# KiCad board emonPi3.kicad_pcb (continued)
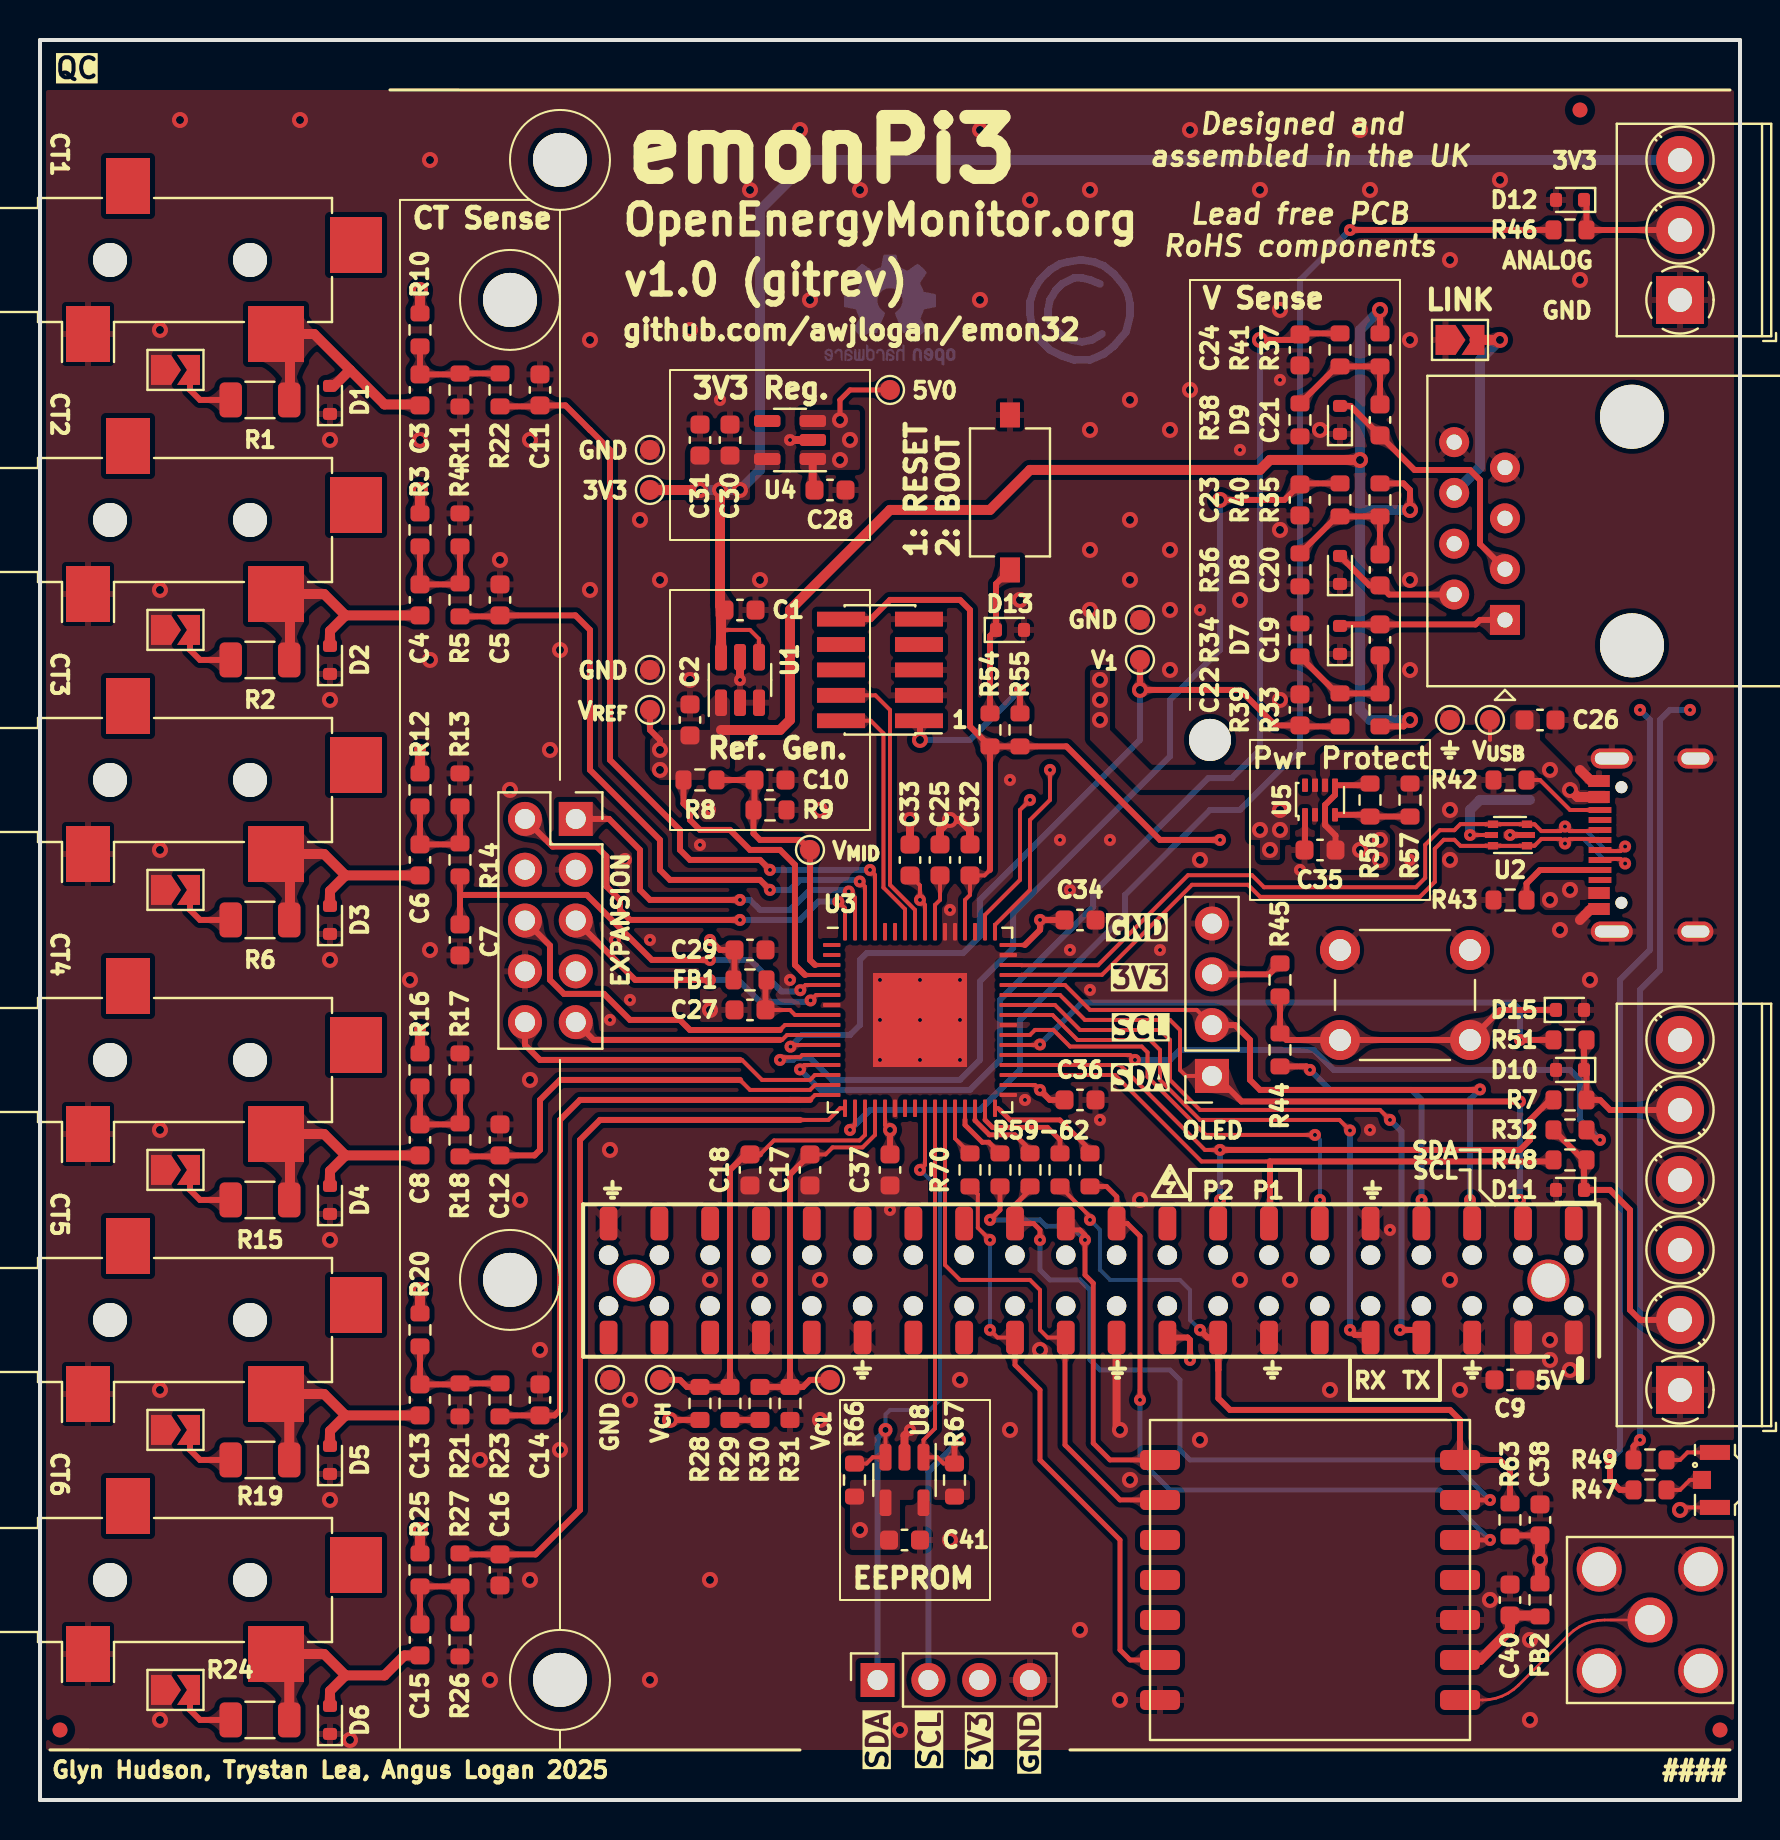
[diagram p0: board, top side]
## Footprints (pads in the part's own frame, mm; a bottom-side part is the same pattern mirrored in y, then rotated) (continued)
  rrect 0.89x1.68 smd: 1(-24.13,-2.85) 2(-24.13,2.85) 3(-21.59,-2.85) 4(-21.59,2.85) 5(-19.05,-2.85) 6(-19.05,2.85) 7(-16.51,-2.85) 8(-16.51,2.85) 9(-13.97,-2.85) 10(-13.97,2.85) 11(-11.43,-2.85) 12(-11.43,2.85) 13(-8.89,-2.85) 14(-8.89,2.85) 15(-6.35,-2.85) 16(-6.35,2.85) 17(-3.81,-2.85) 18(-3.81,2.85) 19(-1.27,-2.85) 20(-1.27,2.85) 21(1.27,-2.85) 22(1.27,2.85) 23(3.81,-2.85) 24(3.81,2.85) 25(6.35,-2.85) 26(6.35,2.85) 27(8.89,-2.85) 28(8.89,2.85) 29(11.43,-2.85) 30(11.43,2.85) 31(13.97,-2.85) 32(13.97,2.85) 33(16.51,-2.85) 34(16.51,2.85) 35(19.05,-2.85) 36(19.05,2.85) 37(21.59,-2.85) 38(21.59,2.85) 39(24.13,-2.85) 40(24.13,2.85)
  round 2.1 hole 1.7: 41(-22.86,0) 41(22.86,0)
RFM69CW
  rrect 2x1 smd: 1(-7.5,6) 2(-7.5,4) 3(-7.5,2) 4(-7.5,0) 5(-7.5,-2) 6(-7.5,-4) 7(-7.5,-6) 8(7.5,-6) 9(7.5,-4) 10(7.5,-2) 11(7.5,0) 12(7.5,2) 13(7.5,4) 14(7.5,6)
RJ45_Amphenol_54602-x08_Horizontal
  round 3.2 hole 3.2 unplated: (-1.27,-6.35) (10.16,-6.35)
  rect 1.5x1.5 hole 0.76: 1(0,0)
  round 1.5 hole 0.76: 2(1.27,2.54) 3(2.54,0) 4(3.81,2.54) 5(5.08,0) 6(6.35,2.54) 7(7.62,0) 8(8.89,2.54)
SMA_Amphenol_132203-12_Horizontal
  round 2.25 hole 1.5: 1(0,0)
  round 2.25 hole 1.7: 2(-2.54,2.54) 2(-2.54,-2.54) 2(2.54,2.54) 2(2.54,-2.54)
SolderJumper-2_P1.3mm_Open_TrianglePad1.0x1.5mm
  custom 1.5x1.5 smd: 1(-0.725,0)
  custom 1.15x1.5 smd: 2(0.725,0)
SOT-23-5
  rrect 1.325x0.6 smd: 1(-1.137,0.95) 2(-1.137,0) 3(-1.137,-0.95) 4(1.137,-0.95) 5(1.137,0.95)
SOT-23-6
  rrect 1.325x0.6 smd: 1(-1.137,0.95) 2(-1.137,0) 3(-1.137,-0.95) 4(1.137,-0.95) 5(1.137,0) 6(1.137,0.95)
SOT-583-8
  rrect 0.67x0.3 smd: 1(-0.74,0.75) 2(-0.74,0.25) 3(-0.74,-0.25) 4(-0.74,-0.75) 5(0.74,-0.75) 6(0.74,-0.25) 7(0.74,0.25) 8(0.74,0.75)
SOT-666
  rect 0.5x0.375 smd: 1(-0.85,0.537) 3(-0.85,-0.537) 4(0.85,-0.537) 6(0.85,0.537)
  rect 0.65x0.3 smd: 2(-0.925,0) 5(0.925,0)
SW_PUSH_6mm
  round 2 hole 1.1: 1(0,0) 1(6.5,0) 2(0,-4.5) 2(6.5,-4.5)
SW_Tactile_SPST_NO_Straight_CK_PTS636Sx25SMTRLFS
  rect 1.25x1 smd: 1(-3.875,0) 2(3.875,0)
TerminalBlock_Phoenix_PT-1,5-3-3.5-H_1x03_P3.50mm_Horizontal
  rect 2.4x2.4 hole 1.2: 1(0,0)
  round 2.4 hole 1.2: 2(3.5,0) 3(7,0)
TerminalBlock_Phoenix_PT-1,5-6-3.5-H_1x06_P3.50mm_Horizontal
  rect 2.4x2.4 hole 1.2: 1(0,0)
  round 2.4 hole 1.2: 2(3.5,0) 3(7,0) 4(10.5,0) 5(14,0) 6(17.5,0)
TestPoint_Pad_D1.0mm
  round 1 smd: 1(0,0)

## Nets
+3V3: C1.1 C29.1 C30.2 C31.2 C33.1 C34.1 C36.1 C37.1 C38.1 C41.1 CN1.3 CN1.6 CN3.3 FB1.2 FB2.1 J7.3 J8.3 J10.1 J13.7 LED5.2 R45.1 R55.1 R63.2 R66.1 R67.1 TP5.1 U1.4 U1.6 U3.21 U3.34 U3.48 U3.56 U4.5 U8.4
+5V: C9.1 C28.2 J12.2 J12.4 TP4.1 U4.1 U4.3 U5.2 U5.7
/5V_USB: C26.2 J9.A4 J9.A9 J9.B4 J9.B9 TP3.1 U2.5 U5.6
/5V_VS: C35.2 R56.2 RJ1.4 RJ1.5 U5.3 U5.5
GND: C1.2 C2.2 C5.2 C7.2 C9.2 C10.2 C11.2 C12.2 C14.2 C16.2 C17.2 C18.2 C22.2 C23.2 C24.2 C25.2 C26.1 C27.2 C28.1 C29.2 C30.1 C31.1 C32.2 C33.2 C34.2 C35.1 C36.2 C37.2 C38.2 C40.2 C41.2 CN1.1 CN1.4 CN3.1 D1.1 D2.1 D3.1 D4.1 D5.1 D6.1 D7.1 D8.1 D9.1 D10.2 D11.2 D12.2 D13.2 D15.2 GND_LINK1.1 J1.S J2.S J3.S J4.S J5.S J6.S J7.4 J8.4 J9.A1 J9.A12 J9.B1 J9.B12 J9.S1 J10.3 J10.5 J10.9 J12.6 J12.9 J12.14 J12.20 J12.30 J12.34 J12.39 J13.3 J13.8 JP1.1 JP2.1 JP3.1 JP4.1 JP5.1 JP6.1 R4.1 R9.1 R11.1 R13.1 R17.1 R21.1 R26.1 R31.1 R34.1 R36.2 R38.2 R42.1 R43.1 R57.1 RJ1.7 RJ1.8 SMA1.2 SW1.1 SW3.2 TP6.1 TP10.1 TP11.1 TP12.1 TP13.1 U1.2 U1.3 U1.5 U2.2 U3.7 U3.22 U3.33 U3.40 U3.47 U3.53 U3.54 U3.65 U4.2 U5.1 U7.3 U7.14 U8.2 U8.5
/ANALOG_INPUT: R46.2 U3.18
/CT1: C11.1 R22.1 U3.61
/CT2: C5.1 R5.1 U3.62
/CT3: C7.1 R14.1 U3.5
/CT4: C12.1 R18.1 U3.15
/CT5: C14.1 R23.1 U3.16
/CT6: C16.1 R27.1 U3.17
/CT7: J13.1 U3.63
/CT8: J13.2 U3.64
/CT9: J13.5 U3.6
/CT10: J13.6 U3.9
/CT11: J13.9 U3.10
/CT12: J13.10 U3.14
/I2C_EXT_SCL: J8.2 J12.5 U3.44
/I2C_EXT_SDA: J8.1 J12.3 U3.43
/I2C_INT_SCL: J7.2 R67.2 U3.26 U8.1
/I2C_INT_SDA: J7.1 R66.2 U3.25 U8.3
/OPA1: J12.13 R48.2 U3.35
/OPA1_PU: R32.1 U3.37
/OPA2: J12.15 R7.2 U3.36
/OPA2_PU: R51.1 U3.38
/REV_0: U3.51
/RFM_IRQ: J12.22 U3.27 U7.9
/RFM_MISO: J12.21 R60.1 U7.8
/RFM_MISO_UC: R60.2 U3.29
/RFM_MOSI: J12.19 R59.2 U7.5
/RFM_MOSI_UC: R59.1 U3.32
/RFM_RESET: J12.24 R70.2 U7.13
/RFM_RESET_UC: R70.1 U3.28
/RFM_SCK: J12.23 R61.2 U7.6
/RFM_SCK_UC: R61.1 U3.30
/RFM_SEL: J12.16 R62.2 R63.1 U7.7
/RFM_SEL_UC: R62.1 U3.31
/SWCLK: J10.4 U3.57
/SWDIO: J10.2 U3.58
/UART_DBG_RX0: J12.8 U3.42
/UART_DBG_TX0: J12.10 U3.41
/USB_D+: J9.A6 J9.B6 U2.3 U2.4 U3.46
/USB_D-: J9.A7 J9.B7 U2.1 U2.6 U3.45
/V_{MID}: C10.1 R8.1 R9.2 TP2.1 U3.3
/V_{REF}: C2.1 J13.4 R3.1 R8.2 R10.1 R12.1 R16.1 R20.1 R25.1 R28.2 R33.1 R35.1 R37.1 TP1.1 U1.1 U3.4
/VCAL_{HIGH}: C18.1 R28.1 R29.2 TP8.1 U3.19
/VCAL_{LOW}: C17.1 R30.1 R31.2 TP9.1 U3.20
/VS1: C19.1 D7.2 RJ1.1
/VS2: C20.1 D8.2 RJ1.2
/VS3: C21.1 D9.2 RJ1.3
/VSENS1: C22.1 R39.2 TP7.1 U3.11
/VSENS2: C23.1 R40.2 U3.12
/VSENS3: C24.1 R41.2 U3.13
/~{DISABLE_EXT_INTF}: J12.11 U3.39
/~{LCD_BUTTON}: J12.7 R44.2
/~{LED_PROG}: R49.1 U3.50
/~{LED_STATUS}: R47.1 U3.49
/~{RESET}: C32.1 J10.10 J12.18 R54.2 R55.2 U3.52
Net-(C3-Pad2): C3.2 R10.2 R11.2 R22.2
Net-(C4-Pad2): C4.2 R3.2 R4.2 R5.2
Net-(C6-Pad2): C6.2 R12.2 R13.2 R14.2
Net-(C8-Pad2): C8.2 R16.2 R17.2 R18.2
Net-(C13-Pad2): C13.2 R20.2 R21.2 R23.2
Net-(C15-Pad2): C15.2 R25.2 R26.2 R27.2
Net-(C19-Pad2): C19.2 R33.2 R34.2 R39.1
Net-(C20-Pad2): C20.2 R35.2 R36.1 R40.1
Net-(C21-Pad2): C21.2 R37.2 R38.1 R41.1
Net-(CN1-Pin_2): CN1.2 D11.1 R32.2 R48.1
Net-(CN1-Pin_5): CN1.5 D10.1 R7.1 R51.2
Net-(CN3-Pin_2): CN3.2 D12.1 R46.1
Net-(D1-A2): C3.1 D1.2 J1.T R1.1
Net-(D2-A2): C4.1 D2.2 J2.T R2.1
Net-(D3-A2): C6.1 D3.2 J3.T R6.1
Net-(D4-A2): C8.1 D4.2 J4.T R15.1
Net-(D5-A2): C13.1 D5.2 J5.T R19.1
Net-(D6-A2): C15.1 D6.2 J6.T R24.1
Net-(D13-K): D13.1 R54.1 SW3.1
Net-(D15-K): D15.1 R44.1 R45.2 SW1.2
Net-(GND_LINK1-B): GND_LINK1.2 RJ1.6
Net-(J9-CC1): J9.A5 R43.2
Net-(J9-CC2): J9.B5 R42.2
Net-(JP1-B): JP1.2 R1.2
Net-(JP2-B): JP2.2 R2.2
Net-(JP3-B): JP3.2 R6.2
Net-(JP4-B): JP4.2 R15.2
Net-(JP5-B): JP5.2 R19.2
Net-(JP6-B): JP6.2 R24.2
Net-(LED5-K1): LED5.1 R49.2
Net-(LED5-K2): LED5.3 R47.2
Net-(R29-Pad1): R29.1 R30.2
Net-(SMA1-In): SMA1.1 U7.1
Net-(U3-VDDANA): C27.1 FB1.1 U3.8
Net-(U3-VDDCORE): C25.1 U3.55
Net-(U5-PR1): R56.1 R57.2 U5.4
Net-(U7-VDD): C40.1 FB2.2 U7.2

Pads without a net: J1 R TN; J2 R TN; J3 R TN; J4 R TN; J5 R TN; J6 R TN; J9 A8 B8; J10 6 7 8; J12 1 12 17 25 26 27 28 29 31 32 33 35 36 37 38 40 41; U3 1 2 23 24 59 60; U4 4; U5 8; U7 4 10 11 12

## Via types
v1: diameter 0.8, hole 0.4, Top to Bottom, 151 vias
v2: diameter 0.6, hole 0.2, Top to Bottom, 106 vias
v3: diameter 0.7, hole 0.3, Top to Bottom, 3 vias

## Routing (per net, layer and track width the routed paths; a pad name or vN(x,y) marks a point on that pad's centre or on a via; arc(x,y) is an arc through that point)
+3V3: length 145.8
  Top w0.2: v3(42.5,33.5) 42.25,33.75 U3.21 ; LED5.2 82.12,14.63 v1(82,14.5) ; U3.56 44.25,44.75 v2(44,45) 44,45.73 C33.1 ; U3.48 49.25,42.75 ; U3.34 49.75,35.75 v2(50,35.5) ; 34.05,58.5 35.5,58.5 35.95,58.05 U1.4
  Top w0.3: C36.1 50.5,35 v2(50,35.5) ; v2(33.5,43) 34,42.5 C29.1 34.72,41.05 ; C34.1 50,44 v2(50,44) 50,44 50,43.5 49.25,42.75 ; R45.1 61.45,41.28 J8.3 ; v2(49,55.5) R55.1 ; C38.1 73.55,13.23 ; v3(42.5,33.5) C37.1 ; v1(44,53) 44,53.91
  Top w0.5: C1.1 34,59.73 v1(34,65.5) ; C38.1 v1(75,12) FB2.1 ; U1.6 34.05,59.33 ; v1(33,65.5) 30.5,65.5
  In1.Cu w0.3: v2(50,44) 50,44 48.92,45.08 44.08,45.08 v2(44,45)
  In2.Cu w0.3: v1(44,53) 44.18,52.83 44.18,48.18 44,48
  In2.Cu w0.5: v2(50,35.5) 50,35.5 50,34 49.5,33.5 v3(42.5,33.5) ; 50,35.5 55.78,41.28 J8.3 ; J13.7 30.93,41.43
  Bottom w0.3: v1(44,53) 44,53 46.5,53 v2(49,55.5)
  Bottom w0.5: v1(33,65.5) v1(34,65.5) 34,65.5 v1(35,65.5) 36,66.5 36,79.5 38.5,82 CN3.3
  vias: v1(41,13.5)
+5V: length 5.3
  Top w0.254: TP4.1 40.5,70.5 40,70 40,70 v1(40,69) 39.95,68.95
  Top w0.4: U4.1 38.64,65.59
  Top w0.5: 39.95,67.05 v1(40,67)
  vias: v1(40.5,68) v1(53,56) v1(53,55) v1(53,54) v1(61,48.5) v1(61.5,47.5) v1(62,49.5) v1(62,48.5) v1(75.5,23) v1(75.5,22) v1(76.5,21.5)
/5V_USB: length 8.2
  Top w0.2: v2(71.5,48.25) U2.5 ; TP3.1 72.5,53
  Top w0.5: v1(76.5,50.5) 76.51,50.53 76.88,50.15 78,50.15
  Bottom w0.5: v2(71.5,48.25) 71.5,49.5 72,50 74.5,50
  vias: v1(75.5,51.5) v1(75.5,45) v1(76.5,45.5)
/5V_VS: length 5.3
  Top w0.3: C35.2 64.78,48.23 64.25,48.75 U5.3 64.25,49.75 64.75,50.25 U5.5 66.42,50.74
  vias: v1(66,47.5) v1(67,48) v1(67,47)
GND: length 17.3
  Top w0.203: 53.83,18.67 v1(54,18.5)
  Top w0.3: v2(73.5,48.25) U2.2 ; U5.1 63.25,47.53
  Top w0.4: U4.2 v2(37.5,68) ; C25.2 45,48.5 v1(45.5,49) 46,49 46.5,48.5 C32.2 ; J12.20 53.83,18.67 ; U1.5 v2(35,56) ; v2(43.5,18.5) 43.23,18.23 U8.2 ; v1(43.5,49) 43.5,47.78
  Top w0.5: 77.55,50.95 77,51.5 ; 77.55,44.55 77,44
  vias: v1(6,73.5) v1(6,60.5) v1(6,47.5) v1(6,33.5) v1(6,20.5) v1(6,4) v1(7,84) v1(13,84) v1(14.5,68) v1(14.5,55) v1(14.5,42) v1(14.5,28) v1(14.5,15) v1(15.5,3) v1(18.5,41) v1(19,68) v1(19.5,82) v1(19.5,57) v1(19.5,42.5) v1(22,17) v1(22.5,6) v1(23,62) v1(23.5,50.5) v1(24,30) v1(24.5,68) v1(24.5,36) v1(24.5,11) v1(25,22.5) v1(25.5,52.5) v1(26,57.5) v1(26,17.5) v1(27.5,73) v1(27.5,60.5) v1(28.5,32.5) v1(29.5,20) v1(30,64) v1(30.5,6) v1(31,61) v1(32.5,73.5) v1(32.5,56) v1(33.5,39.5) v1(33.5,26) v1(33.5,11) v1(35.5,80.5) v1(36,61) v1(36,26) v1(38,83.5) v1(38.5,75) v1(39,49.5) v1(39,26) v1(39,19) v1(41,80.5) v1(43,3.5) v1(45.5,13) v1(46,21) v1(47,83.5) v1(47,75) v1(48.5,18.5) v1(49,60) v1(49.5,80) v1(50,22.5) v1(52,8.5) v1(52.5,80.5) v1(52.5,68.5) v1(52.5,62.5) v1(52.5,59.5) v1(54,5) v1(54.5,70) v1(54.5,64) v1(54.5,61) v1(54.5,16) v1(55,30) v1(56.5,68.5) v1(56.5,62.5) v1(56.5,59.5) v1(56.5,56.5) v1(57.5,83.5) v1(57.5,70.5) v1(58,47) v1(58,18) v1(60,60) v1(60,26) v1(61,80.5) v1(62,74.5) v1(62,63.5) v1(62,55) v1(62.5,26) v1(64,68.5) v1(64.5,20.5) v1(66,83.5) v1(66.5,80.5) v1(68.5,73) v1(68.5,61) v1(68.5,56.5) v1(70.5,77) v1(70.5,49.5) v1(70.5,47) v1(70.5,26) v1(71,20.5) v1(72.5,10) v1(73,81) v1(74.5,8) v1(74.5,4) v1(76,43.5) v1(77,76) v1(77.5,41) v2(28.5,39) v2(28.75,43) v2(29.5,40) v2(30.5,43) v2(33,47.75) v2(33.5,49.5) v2(34,70) v2(37.5,41) v2(42,41) v2(42,39) v2(42,37) v2(42.5,29.5) v2(44,41) v2(44,39) v2(44,37) v2(45.5,44.5) v2(46,41) v2(46,39) v2(46,37) v2(48.5,51) v2(49.25,35) v2(51,48) v2(51.5,45.5) v2(51.5,42.5) v2(52.5,40.5) v2(53,34) v2(53.5,48) v2(56,42.5) v2(58,59.5) v2(60,67.5) v2(62,71) v2(63,46.5) v2(66.5,33.5) v2(67.5,28.5) v2(68.5,47) v3(29.25,47)
/ANALOG_INPUT: length 70.8
  Top w0.2: v2(40.5,33.5) 40.75,33.75 U3.18 ; 65.5,78.5 v2(65.5,78.5)
  Top w0.3: R46.2 65.5,78.5
  Bottom w0.3: v2(40.5,33.5) 41.5,34.5 47,34.5 49,36.5 49,39 54.25,44.25 54.25,45.25 58.5,49.5 60,49.5 63,52.5 63,54.5 63,54.5 63,76 v2(65.5,78.5)
/CT1: length 40.9
  Top w0.2: v2(41.5,46.5) 41.75,46.25 U3.61
  Top w0.3: C11.1 26.27,69.73 27.5,68.5 27.5,68.5 28.5,67.5 28.5,52 32,48.5 32,47.5 32.5,47 36,47 v2(36.5,46.5) ; R22.1 24.95,69.68
  Bottom w0.3: v2(41.5,46.5) v2(36.5,46.5)
/CT2: length 33.5
  Top w0.2: v2(40.99,45.93) 41.25,45.66 U3.62
  Top w0.3: R5.1 22.95,59.18 ; C5.1 26.77,59.23 27.5,58.5 27.5,51.5 31,48 31,46.5 31.5,46 36,46 v2(36.5,45.5)
  Bottom w0.3: v2(40.99,45.93) 40.91,46 38,46 37.5,45.5 v2(36.5,45.5)
/CT3: length 23.1
  Top w0.2: U3.5 38.27,40.75 v2(38.01,40.49)
  Top w0.3: v2(33.5,42) 30.59,42 27.34,45.25 21,45.25 ; C7.1 21,45.25 ; 21,45.25 R14.1
  Bottom w0.3: v2(33.5,42) 35.5,42 37.08,40.43 37.95,40.43 v2(38.01,40.49)
/CT4: length 21.9
  Top w0.2: U3.15 38.75,35.75 38.5,35.5 35.5,35.5 35,36
  Top w0.3: 35,36 26,36 25,35 25,32.5 24.72,32.23 C12.1 ; R18.1 22.95,32.18
/CT5: length 32.7
  Top w0.2: 38,35 38.5,35 38.75,35.25 U3.16
  Top w0.3: 23.05,19.23 C14.1 25.72,19.23 26,19.5 26,34 27,35 37.5,35 ; 37.5,35 38.5,35 ; 37.5,35 38,35
/CT6: length 39.3
  Top w0.2: 38,34 39.42,34 40,34.59 U3.17
  Top w0.3: 21.05,12.28 C16.1 24.77,12.28 27,14.5 27,33 28,34 38,34
/CT7: length 19.3
  Top w0.2: v2(40.44,45.43) 40.75,45.11 U3.63
  Top w0.3: v2(35,45) 30.5,45 30,45.5 30,47.5 28.45,49.05 J13.1
  Bottom w0.3: v2(35,45) 35.5,45 36,44.5 37.5,44.5 38.5,45.5 40.36,45.5 v2(40.44,45.43)
/CT8: length 21
  Top w0.2: v2(39.91,44.92) 40.25,44.59 U3.64
  Top w0.3: v2(35,44) 29.5,44 29,44.5 29,45 28.32,45.68 28.32,47.18 27.83,47.67 25.63,47.67 J13.2
  Bottom w0.3: v2(39.91,44.92) 38.92,44.92 38,44 v2(35,44)
/CT9: length 14.6
  Top w0.2: U3.6 38.8,40.25 v2(38.53,39.98)
  Top w0.3: J13.5 29.76,41 v2(33.5,41)
  Bottom w0.3: v2(38.53,39.98) 38.46,39.91 36,39.91 34.91,41 v2(33.5,41)
/CT10: length 18.7
  Top w0.2: U3.9 37.25,38.75 37,38.5
  Top w0.3: 37,38.5 32.5,38.5 32,39 29.5,39 28.2,40.31 26.2,40.31 25.5,41 25.5,42.72 J13.6
/CT11: length 13.3
  Top w0.2: 37,38 37.1,38 37.35,38.25 U3.10
  Top w0.3: 37,38 27.68,38 J13.9
/CT12: length 17.3
  Top w0.2: U3.14 38.75,36.25 38.5,36 36.1,36 35.1,37 35,37
  Top w0.3: J13.10 24.25,37.75 25,37 35,37
/I2C_EXT_SCL: length 33.9
  Top w0.2: J8.2 57.84,39.5 52.5,39.5 51.25,40.75 U3.44
  Top w0.3: v2(71.5,30) 71.5,28.81 ; J8.2 59.76,38.74 60.5,38 60.5,36 61,35.5 71.97,35.5 v2(72,35.53)
  Bottom w0.3: v2(72,35.53) 71.5,35.03 v2(71.5,30)
/I2C_EXT_SDA: length 35.9
  Top w0.2: J8.1 57.3,36.2 57,36.5 57,38.5 56.5,39 52.25,39 51,40.25 U3.43
  Top w0.3: 74,28.97 v2(74,30) 74,28.85 ; v2(74,34.93) 60.08,34.93 58.8,36.2
  Bottom w0.3: v2(74,34.93) v2(74,30)
/I2C_INT_SCL: length 33.3
  Top w0.2: U3.26 44.75,18.58 44.17,18 U8.1 44.86,17.14 45.17,16.83 R67.2
  Top w0.3: R67.2 45.73,17.72 v2(46,18)
  Bottom w0.3: v2(46,18) 44.42,16.42 J7.2
/I2C_INT_SDA: length 34.6
  Top w0.2: v3(42.28,18.5) U8.3 41.64,17.14 41.33,16.83 R66.2 ; v2(44,31.5) 44.25,31.75 U3.25
  Bottom w0.2: v3(42.28,18.5) 42.28,19.28 42.5,19.5 44.5,19.5 45,20 45,30.5 v2(44,31.5)
  Bottom w0.3: v3(42.28,18.5) 41.88,18.11 J7.1
/OPA1: length 32
  Top w0.2: U3.35 53.75,36.25 58.08,31.93 61.5,31.93
  Top w0.3: 61.5,28.87 61.5,31.93 75.6,31.93
/OPA1_PU: length 33.8
  Top w0.2: v2(54.75,37) 54.5,37.25 U3.37
  Top w0.3: R32.1 77.82,33 v2(78,33)
  Bottom w0.3: v2(54.75,37) 56.5,37 57,37.5 63.69,37.5 64.69,36.5 76.5,36.5 77,36 77,34 v2(78,33)
/OPA2: length 34.2
  Top w0.2: v2(59,32.5) 58.25,32.5 54,36.75 U3.36
  Top w0.3: v2(59,32.5) 74,32.5 74.5,33 74.5,34 75.5,35 ; v2(59,30) 59,28.77
  Bottom w0.3: v2(59,32.5) v2(59,30)
/OPA2_PU: length 29.8
  Top w0.2: U3.38 49.97,37.75 v2(50,37.78)
  Top w0.3: v2(74,38) R51.1
  Bottom w0.3: v2(74,38) 74,39.5 73.63,39.87 52.09,39.87 v2(50,37.78)
/RFM_IRQ: length 27.9
  Top w0.2: U3.27 45.25,26.75 46,26 49.5,26 50,25.5 50,23.5 50.38,23.12 J12.22
  Top w0.245: 56,15 54,15 51.25,17.75 51.25,23.2
/RFM_MISO: length 22.2
  Top w0.245: 51.49,28.5 52,28.5 52.25,28.25 v2(52.25,28) 52.25,26.25 52.66,25.84 52.66,17.84 53.5,17 56,17 ; R60.1 48,29.5 v2(47.5,29)
  Bottom w0.245: v2(47.5,29) 50,29 50.31,28.69 51.56,28.69 v2(52.25,28)
/RFM_MISO_UC: length 3.2
  Top w0.2: U3.29 46.25,34
  Top w0.245: 46.25,34 46.25,33.75 47.11,32.89 47.44,32.89 R60.2
/RFM_MOSI: length 36.3
  Top w0.245: v2(72.5,13) 72.5,13 U7.5 ; v2(55,20) 55,28.19 54.37,28.82 J12.19
  Top w0.248: R59.2 53.32,30.68 53.84,30.16 53.84,28.69
  Bottom w0.245: v2(72.5,13) 70,15.5 56.5,15.5 55,17 v2(55,20)
/RFM_MOSI_UC: length 5.6
  Top w0.2: U3.32 47.92,34.59 48,34.5
  Top w0.245: 52.5,32.5 51,34 48.5,34 48,34.5
/RFM_RESET: length 29.1
  Top w0.2: R70.2 46.89,30.29 46.89,28.61 v2(47.5,28) ; J12.24 47.88,23.12 v2(47.5,23.5)
  Top w0.245: U7.13 54.5,7 54,7.5 54,13 50,17 50,20.5 48.75,21.75 48.75,23.25
  Bottom w0.2: v2(47.5,28) v2(47.5,23.5)
/RFM_RESET_UC: length 2.6
  Top w0.2: U3.28 45.75,33.08 R70.1
/RFM_SCK: length 38.4
  Top w0.245: J12.23 49.68,28.82 50,28.5 v2(50,28) ; 49.5,30.5 48.76,29.76 48.76,28.69 ; v2(72.5,15) U7.6
  Bottom w0.245: v2(72.5,15) 70.5,17 57.5,17 57,17.5 57,21 56.5,21.5 53,21.5 52.5,22 52.5,25.5 52,26 50.5,26 50,26.5 v2(50,28)
/RFM_SCK_UC: length 4
  Top w0.2: U3.30 46.75,34
  Top w0.245: 49.5,32.5 48.74,33.26 47.47,33.26 46.75,33.98 46.75,34
/RFM_SEL: length 36.9
  Top w0.2: v2(52.5,29) 52.5,29.18 R62.2
  Top w0.3: J12.16 58.38,23.12 v2(58,23.5) ; 58.92,21.5 58.92,20.08 59.5,19.5 70.5,19.5 71,19 71,17 ; 58.92,21.5 58.92,23.25 ; 58.92,21.5 58.92,23.11 ; R63.1 73.5,16.5 73,17 73,17 U7.7
  Bottom w0.2: v2(58,23.5) 57.5,24 57.5,25.5 57,26 53.5,26 52.99,26.51 52.99,28.51 v2(52.5,29)
/RFM_SEL_UC: length 5.4
  Top w0.2: U3.31 47.25,34
  Top w0.245: 47.25,34 47.62,33.63 50.37,33.63 51,33 R62.1
/SWCLK: length 14.4
  Top w0.2: U3.57 43.75,44.51 42.5,45.76 42.5,54.5 41.77,55.23 J10.4
/SWDIO: length 12.7
  Top w0.2: U3.58 43.25,44.54 42.17,45.62 42.17,53.33 41.54,53.96 J10.2
/UART_DBG_RX0: length 34.6
  Top w0.2: U3.42 50.75,39.75 52,38.5 56,38.5 56.5,38 56.5,36 58,34.5 67,34.5 v2(67.5,34)
  Top w0.3: v2(68,23.5) 68.69,23.5 J12.8
  Bottom w0.3: v2(68,23.5) 68.08,23.58 68.08,33.43 v2(67.5,34)
/UART_DBG_TX0: length 31.5
  Top w0.2: v2(65.5,33.48) 64.97,34 58,34 56,36 56,37.5 55.5,38 51.88,38 50.63,39.25 U3.41
  Top w0.3: 66.54,23.25 65.75,23.25 v2(65.5,23.5)
  Bottom w0.3: v2(65.5,33.48) v2(65.5,23.5)
/USB_D+: length 39.3
  Top w0.2: U3.46 49.07,41.75 49.08,41.74 52.9,41.74 57.4,46.24 60.6,46.24 61.2,45.64 68.79,45.64 69.26,46.1 69.26,47.76 69.99,48.49 70.72,48.49 71.02,48.79 72.27,48.79 72.27,48.79 U2.4 73.03,48.79 73.03,48.79 73.97,48.79 73.97,48.79 U2.3 74.73,48.79 75.07,48.45 76.02,48.45 v2(76.25,48.68) 76.48,48.45 77.95,48.45 J9.B6 ; v2(79.26,47.68) 79.03,47.45 78.05,47.45 J9.A6
  Bottom w0.2: v2(76.25,48.68) 76.48,48.45 77.33,48.45 78.33,47.45 79.03,47.45 v2(79.26,47.68)
/USB_D-: length 39.3
  Top w0.2: U3.45 49.07,41.25 49.08,41.26 53.1,41.26 57.6,45.76 60.4,45.76 61,45.16 68.99,45.16 69.74,45.9 69.74,47.56 70.19,48.01 70.72,48.01 71.02,47.71 72.27,47.71 72.27,47.71 U2.6 73.03,47.71 73.03,47.71 73.97,47.71 73.97,47.71 U2.1 74.73,47.71 75.07,48.05 76.02,48.05 v2(76.25,47.83) 76.48,48.05 77.95,48.05 J9.A7 ; v2(79.26,46.83) 79.03,47.05 78.05,47.05 J9.B7
  Bottom w0.2: v2(76.25,47.83) 76.48,48.05 77.17,48.05 78.17,47.05 79.03,47.05 v2(79.26,46.83)
/V_{MID}: length 14.4
  Top w0.2: U3.3 38.75,41.75
  Top w0.3: R9.2 35.67,48.33 36,48 38,48 38.5,47.5 38.5,42 38.75,41.75 ; 33.83,51 C10.1 35.72,49.55
/V_{REF}: length 131.9
  Top w0.2: U3.4 38.25,41.25
  Top w0.3: 38.25,41.25 37.75,41.75 37.75,46.75 37,47.5 35.5,47.5 34.5,48.5 33,48.5 32.5,49 32.5,49.5 32.17,49.83 R8.2 ; v1(31,52.5) 31,53 30.5,53.5 TP1.1 ; R35.1 68.17,65.83 68.5,65.5 v1(68.5,64.5) ; v1(68.5,54) 68.18,53.68 R33.1 ; v1(67,74.5) 67,73.33 ; R28.2 v1(31.5,19)
  Top w0.5: v1(19,13.5) R25.1 ; v1(19,25.5) R20.1 ; 34.05,53.5 37,53.5 37.5,54 37.5,59.5 42.5,64.5 47.5,64.5 49.5,66.5 61,66.5 61.5,67 65.5,67 v1(66,67) ; v1(19,65.5) R3.1 ; v2(19,38.5) R16.1 ; v1(19,75.5) R10.1 ; v2(19,52.5) R12.1
  In2.Cu w0.3: v1(31.5,19) 17,19 ; 24.46,46.54 17.04,46.54 17,46.5
  In2.Cu w0.5: v1(19,25.5) 17,25.5 ; v2(19,38.5) 17,38.5 ; v1(19,65.5) 17,65.5 ; v1(19,13.5) 17,13.5 ; v2(19,52.5) 17,52.5 ; v1(19,75.5) 17,75.5
  Bottom w0.5: v1(67,74.5) 66,73.5 v1(66,67) 66,64.5 ; 66,64.5 66,54.5 66.5,54 v1(68.5,54) ; 66,64.5 v1(68.5,64.5)
  vias: v1(31,51.5)
/VCAL_{HIGH}: length 23.3
  Top w0.2: 36,32.28 36.7,32.98 40.97,32.98 41.25,33.25 U3.19
  Top w0.3: 36,32.28 35.27,32.28 34.5,31.5 R29.2 R28.1 32.35,20.65 32,21 TP8.1
/VCAL_{LOW}: length 20.7
  Top w0.2: C17.1 39.27,32.28 39.63,32.63 41.13,32.63 41.75,33.25 U3.20
  Top w0.3: R30.1 R31.2 ; R31.2 38.15,20.65 38.5,21 TP9.1 ; R31.2 37.5,31.28 C17.1
/VS1: length 8.3
  Top w0.3: 65.07,58.78 C19.1 71.77,58.78 72,59 RJ1.1
/VS2: length 6.5
  Top w0.3: RJ1.2 67.45,60.27 C20.1 66.47,60.73 D8.2
/VS3: length 13.5
  Top w0.3: D9.2 65.52,69.7 C21.1 68.73,66.5 71.5,66.5 72,66 72,62.79 RJ1.3
/VSENS1: length 43.6
  Top w0.2: U3.11 37.61,37.75 v2(37.52,37.67)
  Top w0.3: C22.1 61.77,53.73 60,55.5 v1(55,55.5) TP7.1 ; R39.2 63.05,53.68
  Bottom w0.3: v1(55,55.5) 55,53 46.99,44.99 46.99,43.18 46.16,42.35 41.34,42.35 41,42 41,38.75 40.5,38.25 38.11,38.25 v2(37.52,37.67)
/VSENS2: length 52.8
  Top w0.2: v2(37,37) 37.14,37.14 38,37.14 38.11,37.25 U3.12
  Top w0.3: R40.2 63.05,65.83 ; v1(59,65) 62.22,65 C23.1
  Bottom w0.3: v2(37,37) 37.66,37 37.76,37.11 38.5,37.11 39.6,36 46,36 47,37 47,40.94 48.66,42.6 48.66,44.34 56.5,52.18 56.5,55 59,57.5 59,57.5 v1(59,65)
/VSENS3: length 58.5
  Top w0.2: U3.13 38.22,36.75 v2(38,36.53)
  Top w0.3: v1(61,73) 62.73,73 ; R41.2 63.05,73.33
  Bottom w0.3: v1(61,73) 61,54 61,52.5 59.59,51.09 58.41,51.09 52.66,45.34 52.66,44.66 48,40 48,37 46.5,35.5 39.03,35.5 v2(38,36.53)
/~{DISABLE_EXT_INTF}: length 23
  Top w0.2: 64,28.69 v2(64,30) ; U3.39 49.5,38.25 49.75,38.5 50.67,38.5 51.5,37.67 55.08,37.67 55.38,37.38 55.38,36.16 58.29,33.25 v2(63.75,33.25)
  Bottom w0.2: v2(63.75,33.25) 64,33 v2(64,30)
/~{LCD_BUTTON}: length 14.1
  Top w0.3: v2(63.5,36.5) 63.32,36.68 R44.2 ; v2(69.08,30) 69.08,28.69
  Bottom w0.3: v2(63.5,36.5) 64.5,35.5 68.58,35.5 69.08,35 v2(69.08,30)
/~{LED_PROG}: length 81.9
  Top w0.2: U3.50 47.25,44.25 49,46 49,49.5 v2(49.5,50)
  Top w0.3: v2(80,18) 79.67,17.68 R49.1
  In1.Cu w0.2: v2(49.5,50) 60.5,50 61,50.5 72,50.5 75,53.5 82,53.5 82.5,54 v2(82.5,54.5)
  Bottom w0.3: v2(80,18) 80,40.5 81,41.5 81,54 81.5,54.5 v2(82.5,54.5)
/~{LED_STATUS}: length 81
  Top w0.2: v2(50.5,51.5) 50.5,50 49.5,49 49.5,45.5 47.75,43.75
  Top w0.3: v2(78.5,17) 78.5,16 79,15.5 R47.1
  In1.Cu w0.2: v2(80,54.5) 74,54.5 71,51.5 60.5,51.5 60,51 52,51 51.5,51.5 v2(50.5,51.5)
  Bottom w0.3: v2(78.5,17) 79,17.5 79,41 80.5,42.5 80.5,54 v2(80,54.5)
/~{RESET}: length 69.3
  Top w0.2: U3.52 46.25,45 46.5,45.25 C32.1 47.22,46.23 47.5,46.5
  Top w0.3: R54.2 46.5,53.68 46.5,59.5 46,60 42.5,60 41.54,59.04 J10.10 ; R54.2 R55.2 51.32,52.68 56,48 v2(59,48) ; R54.2 47.5,46.5 ; v2(57.5,22) 57.5,23 57.38,23.12 J12.18
  In2.Cu w0.3: v2(59,48) 59,47 60.5,45.5 60.5,31.5 60,31 57.92,31 57.42,30.5 57.42,22.08 v2(57.5,22)
Net-(C3-Pad2): length 5.3
  Top w0.3: 21,71.33 R22.2 ; 20.95,71.28 C3.2 R10.2
Net-(C4-Pad2): length 5.7
  Top w0.3: R3.2 C4.2 20.95,60.78 ; R5.2 R4.2
Net-(C6-Pad2): length 5.7
  Top w0.3: 20.95,47.78 C6.2 R12.2 ; R14.2 R13.2
Net-(C8-Pad2): length 5.7
  Top w0.3: R18.2 R17.2 ; 20.95,33.78 C8.2 R16.2
Net-(C13-Pad2): length 5.8
  Top w0.3: R20.2 C13.2 20.95,20.78 ; R21.2 R23.2
Net-(C15-Pad2): length 5.8
  Top w0.3: C15.2 R25.2 R27.2 R26.2
Net-(C19-Pad2): length 6.5
  Top w0.3: C19.2 R33.2 R39.1 ; 64.85,55.33 R34.2
Net-(C20-Pad2): length 6.5
  Top w0.3: C20.2 R35.2 R40.1 ; 64.85,64.18 R36.1
Net-(C21-Pad2): length 6.5
  Top w0.3: R37.2 R41.1 ; 64.85,71.68 R38.1 ; 67,71.58 67,69.68
Net-(CN1-Pin_2): length 13.9
  Top w0.3: 77.2,31.88 D11.1 78.5,30.5 79.5,29.5 79.5,24.5 80,24 82,24 ; 77.17,32 R32.2
Net-(CN1-Pin_5): length 7.6
  Top w0.3: 82,34.5 78.5,34.5 78,35 R7.1 77.32,36.38 ; D10.1 77.2,37.88
Net-(CN3-Pin_2): length 6
  Top w0.3: CN3.2 77.33,78.5 ; R46.1 77.32,79.88
Net-(D1-A2): length 12.5
  Top w0.5: 15.5,71.5 17.23,69.78 19,69.78 ; 15.5,71.5 14.7,70.7 D1.2 ; 15.5,71.5 13.7,73.3 J1.T ; 12.5,70.04 12.5,72.6
Net-(D2-A2): length 12
  Top w0.5: 12.5,57.04 12.5,59.6 ; C4.1 15.27,59.23 ; 15.27,59.23 14.2,60.3 J2.T ; 15.27,59.23 14.5,58.45 D2.2
Net-(D3-A2): length 12
  Top w0.5: 15.27,46.23 14.5,45.45 D3.2 ; 15.27,46.23 14.2,47.3 J3.T ; 15.27,46.23 C6.1 ; 12.5,44.04 12.5,46.6
Net-(D4-A2): length 12
  Top w0.5: 15.27,32.23 14.5,31.45 D4.2 ; 15.27,32.23 14.2,33.3 J4.T ; 15.27,32.23 C8.1 ; 12.5,30.04 12.5,32.6
Net-(D5-A2): length 12.1
  Top w0.5: J5.T 14.2,20.3 15.27,19.23 ; R19.1 12.46,19.64 ; 15.27,19.23 14.5,18.45 D5.2 ; 15.27,19.23 C13.1
Net-(D6-A2): length 12.5
  Top w0.5: 15.27,6.23 14.5,5.45 D6.2 ; 15.27,6.23 17.22,6.23 18.22,7.23 C15.1 ; 15.27,6.23 14.2,7.3 J6.T ; R24.1 12.46,6.64
Net-(D13-K): length 7.6
  Top w0.3: SW3.1 47.8,60.8 D13.1 47.5,58.2 R54.1
Net-(D15-K): length 16.4
  Top w0.3: R45.2 R44.1 62.33,38 SW1.2 SW1.2 73,39.5 D15.1
Net-(GND_LINK1-B): length 9.9
  Top w0.5: v1(73,73) GND_LINK1.2
  Bottom w0.5: RJ1.6 72,66.64 72,72 v1(73,73)
Net-(J9-CC1): length 4.8
  Top w0.3: J9.A5 75,46.5 74.33,45.83 R43.2
Net-(J9-CC2): length 4.3
  Top w0.2: R42.2 75,51 76.5,49.5 J9.B5
Net-(JP1-B): length 3.2
  Top w0.3: JP1.2 7.5,70.5 8,70 R1.2
Net-(JP2-B): length 3.2
  Top w0.3: R2.2 8,57 7.5,57.5 JP2.2
Net-(JP3-B): length 3.2
  Top w0.3: JP3.2 7.5,44.5 8,44 R6.2
Net-(JP4-B): length 3.2
  Top w0.3: R15.2 8,30 7.5,30.5 JP4.2
Net-(JP5-B): length 3.2
  Top w0.3: JP5.2 7.5,17.5 8,17 R19.2
Net-(JP6-B): length 3.2
  Top w0.3: R24.2 8,4 7.5,4.5 JP6.2
Net-(LED5-K1): length 2.6
  Top w0.2: LED5.1 82.37,17.38 82,17 R49.2
Net-(LED5-K2): length 2
  Top w0.2: LED5.3 82.5,16 82,15.5 R47.2
Net-(R29-Pad1): length 1.5
  Top w0.3: R29.1 R30.2
Net-(SMA1-In): length 10.9
  Top w0.133: 71.06,5 72.13,5 72.46,5.02 72.79,5.09 73.1,5.19 73.4,5.34 73.68,5.52 73.93,5.74 76.44,8.26 76.69,8.48 76.97,8.66 77.26,8.81 77.58,8.91 77.9,8.98 78.24,9 SMA1.1
Net-(U3-VDDANA): length 5.2
  Top w0.2: 37,39.5 37,39.5 C27.1 ; 37,39.5 36.69,39.5 ; 37,39.5 37.5,39.5 37.75,39.25 U3.8
  Top w0.3: C27.1 36.27,40.95
Net-(U3-VDDCORE): length 2.9
  Top w0.2: 45,46.23 45,45 44.75,44.75 U3.55
Net-(U5-PR1): length 3.7
  Top w0.3: U5.4 66.42,49.26 ; R56.1 R57.2
Net-(U7-VDD): length 5.3
  Top w0.5: 74.95,9.22 C40.1 73.5,8.5 72,7 U7.2

## Copper pours and planes (outline as drawn; the poured copper is in the pictures)
+3V3 on Top: 32.5,67.5 37,67.5 37,66.5 35.5,66.5 35.5,65 32.5,65
+3V3 on Top: 40.5,16 46.5,16 46.5,15 43,15 43,12.5 40.5,12.5
+3V3 on In2.Cu: 32.5,66.5 38,66.5 38,48.5 44.5,48.5 44.5,44.5 43.5,44.5 43.5,47.5 35.5,47.5 34,46 34,42.5 32,42.5 32,32.5 41.5,32.5 41.5,31 30.5,31 30.5,44 32.5,44 32.5,46.5 34.5,48.5 36.5,48.5 36.5,64.5 32.5,64.5
+3V3 on In2.Cu: 42,34 43,34 43,33 42,32 42,12 73.5,12.07 73.5,16 80,16 80,40 84,40 84,14 75.5,14 75.5,10.5 48.5,10.5 48.5,4.5 45.5,4.5 45.5,10.5 40,10.5 40,32
+5V on Top: 41,69.5 41,66.5 38,66.5 38,67.5 39.5,67.5 39.5,68.5 38,68.5 38,69.5
+5V on Top: 55,50.5 52.5,53 52.5,56.5 53.5,56.5 53.5,53.5 55.5,51.5 64,51.5 64,48.75 62.5,48.75 62.5,48 62,48 62,47 61,47 61,48 60.5,48 60.5,50.5
+5V on Top: 73.5,24.25 77.5,24.25 77.5,21 75,21 75,20.5 73.5,20.5
+5V on In2.Cu: 60.5,49 61.5,49 61.5,50 62.5,50 62.5,46 69,46 70,45 70,37 79.5,27.5 79.5,21 74,21 74,23.5 77,23.5 77,27 68,36 68,43 67,44 60.5,44
+5V on In2.Cu: 52.5,53.5 53.5,53.5 53.5,57.5 47.5,57.5 47.5,69.5 39.5,69.5 39.5,66.5 46,66.5 46,56 52.5,56
/5V_USB on Top: 78.5,45 78.5,46 75,46 75,44.5 77,44.5 77,45
/5V_USB on Top: 64.5,50 64,50 64,52.5 69,52.5 70,53.5 73.5,53.5 73.5,54.5 75,54.5 75,53 77,51 77,50.5 78.5,50.5 78.5,49.5 76.5,49.5 74.5,51.5 64.5,51.5
/5V_USB on Bottom: 77,46 75,46 75,50 77,50 77,51.5 76,52.5 74,52.5 74,44.5 77,44.5
/5V_VS on Top: 64,48.5 64,46.5 67.5,46.5 67.5,48.5 65,48.5 65,49.75 64,49.75
/5V_VS on Bottom: 69.25,64.25 71.5,64.25 73,65.5 74,65.5 76.5,63 76.5,57.5 67.5,48.5 67.5,46.5 65.5,46.5 65.5,48.5 75,58 75,62 74.5,62.5 72.5,62.5 71.5,61.5 69.25,61.5
GND on Top, Bottom, In1.Cu, In2.Cu: 0,0 0,88 85,88 85,0
/V_{REF} on Top: 34.5,51 30.5,51 30.5,53.5 33.5,53.5 33.5,55.5 34.5,55.5
/V_{REF} on In2.Cu: 17,54.5 30.5,54.5 30.5,51 31.5,51 31.5,55.5 17,55.5
/V_{REF} on In2.Cu: 16.5,76 17.5,76 17.5,13 16.5,13

Small or netless copper shapes (teardrops, artwork), in the pictures only: 441 on Top, 78 on Bottom, 6 on In1.Cu, 15 on In2.Cu

## Text on the board
User.Comments: Impedances (Aisler 4 layer, F/In1; B/In2) / Single ended 50R  : 245 um / Differential 90R  : 230 um <-> 165 um / Differential 100R : 190 um <-> 180 um
F.Silkscreen: Glyn Hudson, Trystan Lea, Angus Logan 2025 | #### | R59-62 | ⏚ | V_{MID} | 5V0 | OLED | TX | V_{USB} | 1 | RX | GND | V_{1} | 3V3 | V_{REF} | SDA | SCL | EXPANSION | V_{CH} | V_{CL} | CT1 | CT2 | CT3 | CT4 | CT5 | CT6 | P2 | P1 | ANALOG | 5V | Pwr Protect | Lead free PCB / RoHS components | Designed and / assembled in the UK | QC | github.com/awjlogan/emon32 | CT Sense | 3V3 Reg. | EEPROM | V Sense | LINK | Ref. Gen. | 1: RESET / 2: BOOT | OpenEnergyMonitor.org | v1.0 (gitrev) | emonPi3 | ⚡
